# Allegro board 038RT-9068CJK8E-A100_0921_1.brd (continued)
## Routing (per net, layer and track width the routed paths; a pad name or vN(x,y) marks a point on that pad's centre or on a via; arc(x,y) is an arc through that point) (continued)
  BOTTOM w0.105: C376.1 244.57,209.95 243.09,209.95 T15.2
S0_U2_P6_MDI-: length 2.7
  BOTTOM w0.105: T15.1 243.1,210.42 244.57,210.42 C377.1
S0_U3_FE_MDI+: length 34.6
  BOTTOM w0.105: 15.88,26.06 26.65,26.06 29.47,28.88 31.96,28.88 35.67,32.58 35.67,37.58 36.77,38.68 39.25,38.68 U6.55
  BOTTOM w0.115: 15.88,26.06 14.11,24.29 CON1.3
S0_U3_FE_MDI-: length 34.6
  BOTTOM w0.105: 15.37,26.52 15.68,26.52 15.69,26.53 15.88,26.53 16.08,26.53 16.08,26.52 26.46,26.52 29.28,29.34 31.77,29.34 35.21,32.78 35.21,37.77 36.57,39.14 39.25,39.14 U6.54
  BOTTOM w0.115: 15.37,26.52 15.14,26.76 15.14,27.35 15.35,27.56 CON1.6
S0_U3_FE_MDIX+: length 37.4
  BOTTOM w0.105: U6.61 39.29,35.68 40.63,35.68 41.3,35.01 41.3,32.13 33.16,23.98 15.96,23.98 15.21,23.23 15.21,22.31 CON1.1
S0_U3_FE_MDIX-: length 37.4
  BOTTOM w0.105: 15.68,22.59 15.68,23.04 16.16,23.52 33.35,23.52 41.77,31.93 41.77,35.2 40.83,36.14 39.29,36.14 U6.60
  BOTTOM w0.115: 15.68,22.59 15.84,22.42 16.6,22.42 CON1.2
S0_U3_P0_MDI+: length 292.1
  L09_SIGNAL w0.1: v2(26.17,93.13) 26.37,92.93 35.4,92.93 38.35,95.88 99.46,95.88 102.68,99.1 102.68,117.72 108.47,123.51 170.16,123.51 222.93,176.28 233.74,176.28 241.07,183.6 241.07,198.64 239.99,199.71 239.99,205.84 240.46,206.3 240.96,206.3 241.06,206.4 v1(241.06,206.82)
  BOTTOM w0.105: v2(26.17,93.13) 26.32,92.98 28.78,92.98 U17.21 ; C195.2 241.8,206.35 241.53,206.35 v1(241.06,206.82)
S0_U3_P0_MDI-: length 292.1
  L09_SIGNAL w0.1: v1(241.06,205.42) 241.06,205.84 240.96,205.94 240.61,205.94 240.36,205.69 240.36,199.86 241.43,198.79 241.43,183.45 233.89,175.92 223.08,175.92 170.31,123.15 108.62,123.15 103.04,117.57 103.04,98.95 99.61,95.52 38.5,95.52 35.55,92.57 26.37,92.57 v2(26.17,92.37)
  BOTTOM w0.105: U17.22 28.78,92.52 26.32,92.52 v2(26.17,92.37) ; C196.2 241.8,205.89 241.53,205.89 v1(241.06,205.42)
S0_U3_P0_RC: length 3.7
  BOTTOM w0.115: R150.2 R2.1 C194.1 R149.2
S0_U3_P1_MDI+: length 282.5
  L09_SIGNAL w0.1: v1(247.95,201.86) 247.95,202.28 248.05,202.38 248.94,202.38 249.16,202.17 249.16,197.64 249.12,197.59 249.12,183.4 239.42,173.7 223.38,173.7 171.05,121.37 147.04,121.37 115.6,89.93 34.23,89.93 34.11,90.05 34.11,90.25 34,90.37 33.83,90.37 33.71,90.25 33.71,90.05 33.6,89.93 33.43,89.93 33.31,90.05 33.31,90.25 33.2,90.37 33.03,90.37 32.91,90.25 32.91,90.05 32.8,89.93 31.62,89.93 v2(31.42,90.13)
  BOTTOM w0.105: v2(31.42,90.13) 31.27,89.98 28.81,89.98 U17.27 ; C198.2 247.21,202.33 247.48,202.33 v1(247.95,201.86)
S0_U3_P1_MDI-: length 282.5
  L09_SIGNAL w0.1: v1(247.95,203.27) 247.95,202.85 248.05,202.75 249.09,202.75 249.52,202.32 249.52,197.49 249.48,197.44 249.48,183.25 239.57,173.34 223.53,173.34 171.2,121 147.19,121 115.75,89.57 31.62,89.57 v2(31.42,89.37)
  BOTTOM w0.105: U17.28 28.81,89.52 31.27,89.52 v2(31.42,89.37) ; v1(247.95,203.27) 247.48,202.8 247.21,202.8 C199.2
S0_U3_P1_RC: length 3.7
  BOTTOM w0.115: R156.2 R3.1 C197.1 R155.2
S0_U3_P2_GIGA_MDI+: length 25.7
  BOTTOM w0.105: K145.24 31.08,232.85 32.19,232.85 32.29,232.96 32.29,237.65 32.73,238.08 34.1,238.08 34.48,237.71 34.48,231.63 34.67,231.44 35.26,231.44 35.37,231.54 35.37,234.99 35.84,235.46 38.28,235.46 38.52,235.7 41.66,235.7 K144.29
S0_U3_P2_GIGA_MDI-: length 25.7
  BOTTOM w0.105: K145.25 31.08,232.39 32.38,232.39 32.76,232.76 32.76,237.45 32.92,237.62 33.91,237.62 34.01,237.51 34.01,231.44 34.48,230.97 35.46,230.97 35.83,231.35 35.83,234.8 36.03,235 38.47,235 38.71,235.24 41.66,235.24 K144.28
S0_U3_P3_GIGA_MDI+: length 27.6
  L46_SIGNAL w0.136: v3(33.01,230.95) 33.11,230.85 33.68,230.85 34.21,231.38 34.21,232.15 31.84,234.52 31.84,241.23 33.82,243.2 40.02,243.2 40.64,242.58 40.64,241.49 v3(40.74,241.39)
  BOTTOM w0.105: K145.28 31.08,230.85 32.91,230.85 v3(33.01,230.95) ; K144.38 41.66,240.2 40.75,240.2 40.65,240.31 40.65,241.29 v3(40.74,241.39)
S0_U3_P3_GIGA_MDI-: length 27.6
  L46_SIGNAL w0.136: v3(33.01,230.29) 33.11,230.39 33.87,230.39 34.67,231.19 34.67,232.34 32.3,234.71 32.3,241.04 34.01,242.75 39.83,242.75 40.19,242.39 40.19,241.49 v3(40.08,241.39)
  BOTTOM w0.105: K144.37 41.66,239.74 40.56,239.74 40.18,240.11 40.18,241.29 v3(40.08,241.39) ; K145.29 31.08,230.39 32.91,230.39 v3(33.01,230.29)
S0_U3_P5_MDI+: length 291
  L09_SIGNAL w0.1: v2(31.42,94.63) 31.62,94.43 33.42,94.43 39.71,100.72 94.37,100.72 97.08,103.43 97.08,121.43 101.45,125.8 169.72,125.8 222.72,178.8 233.37,178.8 238.67,184.1 238.67,207.18 239.97,208.48 239.97,213.61 240.28,213.92 240.96,213.92 241.06,214.02 v1(241.06,214.44)
  BOTTOM w0.105: U17.18 28.81,94.48 31.27,94.48 v2(31.42,94.63) ; v1(241.06,214.44) 241.53,213.97 241.8,213.97 C383.2
S0_U3_P5_MDI-: length 291
  L09_SIGNAL w0.1: v1(241.06,213.04) 241.06,213.46 240.96,213.56 240.43,213.56 240.33,213.46 240.33,208.33 239.04,207.03 239.04,183.95 233.52,178.44 222.87,178.44 169.87,125.44 101.6,125.44 97.45,121.28 97.45,103.28 94.52,100.36 39.86,100.36 33.57,94.07 31.62,94.07 v2(31.42,93.87)
  BOTTOM w0.105: U17.19 28.81,94.02 31.27,94.02 v2(31.42,93.87) ; v1(241.06,213.04) 241.53,213.51 241.8,213.51 C381.2
S0_U3_P5_RC: length 3.7
  BOTTOM w0.115: R439.2 R5.1 C379.1 R440.2
S0_U3_P6_MDI+: length 300.4
  L09_SIGNAL w0.1: v1(247.95,209.48) 247.95,209.9 247.85,210 247.41,210 242.04,215.38 240.12,215.38 238.89,214.14 238.89,209.69 237.03,207.83 223.44,207.83 220.3,204.69 220.3,180.22 167.74,127.65 99.54,127.65 77.09,105.2 27.86,105.2 25.4,102.74 25.4,100.96 25.52,100.84 25.72,100.84 25.84,100.72 25.84,100.56 25.72,100.44 25.52,100.44 25.4,100.32 25.4,100.16 25.52,100.04 25.72,100.04 25.84,99.92 25.84,99.76 25.72,99.64 25.52,99.64 25.4,99.52 25.4,97.57 25.54,97.43 25.97,97.43 v2(26.17,97.63)
  BOTTOM w0.105: v1(247.95,209.48) 247.48,209.95 247.21,209.95 C376.2 ; v2(26.17,97.63) 26.32,97.48 28.78,97.48 U17.12
S0_U3_P6_MDI-: length 300.4
  L09_SIGNAL w0.1: v2(26.17,96.87) 25.97,97.07 25.39,97.07 25.04,97.42 25.04,102.89 27.71,105.56 76.94,105.56 99.39,128.02 167.59,128.02 219.94,180.37 219.94,204.84 223.29,208.19 236.88,208.19 238.53,209.84 238.53,214.29 239.97,215.74 242.19,215.74 247.56,210.37 247.85,210.37 247.95,210.47 v1(247.95,210.89)
  BOTTOM w0.105: v2(26.17,96.87) 26.32,97.02 28.78,97.02 U17.13 ; v1(247.95,210.89) 247.48,210.42 247.21,210.42 C377.2
S0_U3_P6_RC: length 3.7
  BOTTOM w0.115: R441.2 C375.1 R10.1 R438.2
S0_U4_GIGA_MDI+: length 14.7
  TOP w0.105: GPHY3.1 18.95,238.36 21.2,238.36 22.75,236.8 22.75,232.25 23.65,231.35 25.35,231.35 v1(25.44,231.45)
  BOTTOM w0.105: v1(25.44,231.45) 25.54,231.35 27.06,231.35 K145.12
S0_U4_GIGA_MDI-: length 14.7
  TOP w0.105: v1(25.44,230.79) 25.35,230.89 23.46,230.89 22.29,232.05 22.29,236.61 21,237.89 18.95,237.89 GPHY3.2
  BOTTOM w0.105: v1(25.44,230.79) 25.54,230.89 27.06,230.89 K145.11
S0_U4_P0_MDI+: length 214.4
  L15_SIGNAL w0.1: K240.3 140.62,51.62 140.72,51.72 140.72,87.43 183.13,129.84 183.13,134.12 204.83,155.82 213.18,155.82 240.45,183.09 240.45,197.84 247.39,204.78 256.71,204.78 256.81,204.88
  L15_SIGNAL w0.105: K60.2 256.81,204.88
S0_U4_P0_MDI-: length 213.8
  L15_SIGNAL w0.1: K240.6 141.19,51.62 141.09,51.72 141.09,87.28 183.49,129.69 183.49,133.97 204.98,155.45 213.33,155.45 240.82,182.94 240.82,197.69 247.54,204.42 256.71,204.42 256.81,204.32
  L15_SIGNAL w0.105: K60.7 256.81,204.32
S0_U4_P1_MDI+: length 206.8
  L15_SIGNAL w0.1: K64.2 232.2,204.32 232.1,204.42 223.53,204.42 222.94,203.82 222.94,199.35 220.35,196.76 220.35,172.37 210.92,162.94 199.62,162.94 127.11,90.43 127.11,56.24 K241.3
S0_U4_P1_MDI-: length 207.4
  L15_SIGNAL w0.1: K241.6 126.75,56.23 126.75,90.58 199.47,163.3 210.77,163.3 219.99,172.52 219.99,196.91 222.58,199.5 222.58,203.97 223.38,204.78 232.1,204.78 232.2,204.88 K64.7
S0_U4_P2_R_1: length 18.2
  TOP w0.508: R542.2 GPHY2.G2 16.51,221.2 16.51,216.95 GPHY2.G1 GPHY2.G3
S0_U4_P2_R_2: length 21.8
  TOP w0.508: GPHY2.G6 GPHY2.G4 ; GPHY2.G4 11.29,218.44 8.02,215.18 GPHY2.G5 ; GPHY2.G4 R543.2
S0_U4_P2_RC_1: length 1.3
  TOP w0.508: R542.1 C441.1
S0_U4_P2_RC_2: length 1.3
  TOP w0.508: R543.1 C442.1
S0_U4_P3_R_1: length 18.2
  TOP w0.508: GPHY3.G3 GPHY3.G1 16.47,236.04 16.47,240.21 GPHY3.G2 R540.1
S0_U4_P3_R_2: length 21.8
  TOP w0.508: R541.2 GPHY3.G4 ; GPHY3.G4 11.29,237.49 8.02,234.23 GPHY3.G5 ; GPHY3.G4 GPHY3.G6
S0_U4_P3_RC_1: length 1.3
  TOP w0.508: R540.2 C439.1
S0_U4_P3_RC_2: length 1.3
  TOP w0.508: R541.1 C440.1
S0_U4_P5_MDI+: length 225.9
  L15_SIGNAL w0.1: K130.2 256.81,211.99 256.71,211.89 247.04,211.89 243.42,208.26 243.42,202.94 238.39,197.91 238.39,184.78 212.78,159.17 200.4,159.17 176.74,135.52 176.74,130.85 134.39,88.49 134.39,53.05 K242.3
S0_U4_P5_MDI-: length 225.3
  L15_SIGNAL w0.1: K130.7 256.81,211.43 256.71,211.53 247.19,211.53 243.78,208.11 243.78,202.79 238.75,197.76 238.75,184.62 212.93,158.81 200.55,158.81 177.1,135.37 177.1,130.7 134.75,88.34 134.75,53.03 K242.6
S0_U4_P6_MDI+: length 217.1
  L15_SIGNAL w0.1: K140.2 232.2,211.43 232.1,211.53 224.01,211.53 220.36,207.88 220.36,199.48 217.64,196.76 217.64,174.39 210.51,167.26 197.73,167.26 120.77,90.3 120.77,56.23 K243.3
S0_U4_P6_MDI-: length 217.7
  L15_SIGNAL w0.1: K243.6 120.41,56.24 120.41,90.45 197.58,167.62 210.36,167.62 217.28,174.54 217.28,196.91 220,199.63 220,208.03 223.86,211.89 232.1,211.89 232.2,211.99 K140.7
S0_U4PI_P0_MDI+: length 143.5
  L13_SIGNAL w0.1: v2(17.32,92.95) 17.12,92.75 16.36,92.75 16.19,92.92 16.19,93.08 16.01,93.25 15.76,93.25 15.59,93.08 15.59,92.92 15.41,92.75 15.16,92.75 14.99,92.92 14.99,93.08 14.81,93.25 14.56,93.25 14.39,93.08 14.39,92.92 14.21,92.75 13.32,92.75 12.93,92.35 12.93,90.83 13.24,90.51 15.72,90.51 16.06,90.17 16.06,84.36 19,81.42 37.28,81.42 38.05,80.66 38.05,76.54 37.52,76.02 16.01,76.02 15.6,76.43 15.6,77.45 15.96,77.82 36.13,77.82 36.59,78.28 36.59,79.22 36.01,79.8 17.37,79.8 11.41,85.76 11.41,92.4 10.71,93.1 3.11,93.1 2.44,93.78 2.44,95.74 2.65,95.96 4.16,95.96 4.26,95.86 MQS1.1
  BOTTOM w0.105: U17.45 21.07,93.48 19.99,93.48 19.3,92.8 17.47,92.8 v2(17.32,92.95)
S0_U4PI_P0_MDI-: length 143.5
  L13_SIGNAL w0.1: v2(17.32,92.18) 17.12,92.38 13.47,92.38 13.29,92.2 13.29,90.98 13.39,90.88 15.87,90.88 16.43,90.32 16.43,84.51 19.15,81.78 37.43,81.78 38.41,80.81 38.41,76.39 37.68,75.65 15.86,75.65 15.23,76.28 15.23,77.6 15.81,78.18 35.98,78.18 36.22,78.43 36.22,79.07 35.86,79.44 17.22,79.44 11.04,85.61 11.04,92.25 10.56,92.74 2.96,92.74 2.07,93.63 2.07,95.89 2.5,96.32 4.16,96.32 4.26,96.42 MQS1.2
  BOTTOM w0.105: v2(17.32,92.18) 17.47,92.33 19.49,92.33 20.18,93.02 21.07,93.02 U17.44
S0_U4PI_P1_MDI+: length 115.2
  L13_SIGNAL w0.1: v2(18.46,90.63) 18.66,90.43 20.71,90.43 21.07,90.8 21.07,99.9 22.1,100.93 27.94,100.93 28.97,99.91 28.97,86.84 29.39,86.42 32.78,86.42 33.31,86.95 33.31,101.25 33.62,101.56 35.79,101.56 36.34,101.01 36.34,94.56 36.76,94.14 37.98,94.14 38.3,94.46 38.3,101.11 36.49,102.92 32.12,102.92 31.01,104.03 26.5,104.03 26.01,103.54 20.79,103.54 20.3,104.03 14.85,104.03 13.69,102.86 13.69,98.91 13.19,98.41 12.79,98.02 12.79,97.77 12.9,97.66 12.9,97.41 12.72,97.23 12.48,97.23 12.37,97.34 12.12,97.34 11.94,97.17 11.94,96.92 12.05,96.81 12.05,96.56 11.88,96.39 11.63,96.39 11.52,96.5 11.27,96.5 10.73,95.96 6.9,95.96 6.8,95.86 MQS1.10
  BOTTOM w0.105: v2(18.46,90.63) 18.61,90.48 21.07,90.48 U17.39
S0_U4PI_P1_MDI-: length 115.2
  L13_SIGNAL w0.1: MQS1.11 6.8,96.42 6.9,96.32 10.58,96.32 13.32,99.06 13.32,103.01 14.7,104.39 20.45,104.39 20.94,103.9 25.86,103.9 26.35,104.39 31.16,104.39 32.27,103.28 36.64,103.28 38.66,101.26 38.66,94.31 38.13,93.77 36.61,93.77 35.98,94.41 35.98,100.86 35.64,101.2 33.77,101.2 33.67,101.1 33.67,86.8 32.93,86.06 29.24,86.06 28.6,86.69 28.6,99.76 27.79,100.57 22.25,100.57 21.44,99.75 21.44,90.65 20.86,90.07 18.66,90.07 v2(18.46,89.87)
  BOTTOM w0.105: U17.38 21.07,90.02 18.61,90.02 v2(18.46,89.87)
S0_U4PI_P5_MDI+: length 133
  L11_SIGNAL w0.1: MQS1.3 4.26,100.94 4.16,101.04 2.47,101.04 2.36,100.92 2.36,93.48 2.78,93.05 9.6,93.05 10.31,92.35 10.31,86.22 13.49,83.03 13.49,80.67 14.05,80.11 28.58,80.11 29.35,79.34 29.35,78.16 28.83,77.64 13.9,77.64 13.49,77.23 13.49,75.98 13.9,75.57 33.94,75.57 34.27,75.9 34.27,81.17 33.7,81.74 19.81,81.74 15.43,86.12 15.43,91.64 13.37,93.7 13.37,94.69 14.11,95.43 14.94,95.43 15.12,95.61 15.12,95.76 15.29,95.94 15.54,95.94 15.72,95.76 15.72,95.61 15.89,95.43 16.14,95.43 16.32,95.61 16.32,95.76 16.5,95.94 16.74,95.94 16.92,95.76 16.92,95.61 17.1,95.43 18.26,95.43 v2(18.46,95.63)
  BOTTOM w0.105: v2(18.46,95.63) 18.61,95.48 21.07,95.48 U17.49
S0_U4PI_P5_MDI-: length 133
  L11_SIGNAL w0.1: v2(18.46,94.87) 18.26,95.07 14.26,95.07 13.73,94.54 13.73,93.85 15.79,91.79 15.79,86.27 19.96,82.11 33.85,82.11 34.63,81.32 34.63,75.75 34.09,75.21 13.75,75.21 13.13,75.83 13.13,77.38 13.75,78.01 28.68,78.01 28.99,78.31 28.99,79.19 28.43,79.75 13.9,79.75 13.13,80.52 13.13,82.88 9.94,86.07 9.94,92.2 9.45,92.69 2.63,92.69 1.99,93.32 1.99,101.07 2.32,101.4 4.16,101.4 4.26,101.5 MQS1.4
  BOTTOM w0.105: U17.48 21.07,95.02 18.61,95.02 v2(18.46,94.87)
S0_U4PI_P6_MDI+: length 93.1
  L11_SIGNAL w0.1: MQS1.12 6.8,100.94 6.9,101.04 9.36,101.04 9.53,100.86 9.53,100.71 9.71,100.53 9.96,100.53 10.13,100.71 10.13,100.86 10.31,101.04 10.56,101.04 10.74,100.86 10.74,100.71 10.91,100.53 11.16,100.53 11.34,100.71 11.34,100.86 11.51,101.04 14.32,101.04 14.52,100.84 14.52,99.74 14.86,99.41 15.87,99.41 16.31,99.84 16.31,103.12 17.22,104.03 20.86,104.03 21.29,103.6 21.29,100.8 21.72,100.37 24.23,100.37 25.04,101.18 25.04,103.54 25.53,104.03 32.56,104.03 33.81,102.78 33.81,85.56 33.49,85.24 23.33,85.24 22.48,84.39 20.07,84.39 19.34,85.12 19.34,85.97 21.46,88.1 21.46,97.95 20.98,98.43 18.66,98.43 v2(18.46,98.63)
  BOTTOM w0.105: v2(18.46,98.63) 18.61,98.48 21.07,98.48 U17.55
S0_U4PI_P6_MDI-: length 93.1
  L11_SIGNAL w0.1: v2(18.46,97.87) 18.66,98.07 20.83,98.07 21.1,97.8 21.1,88.25 18.98,86.12 18.98,84.97 19.92,84.03 22.63,84.03 23.48,84.87 33.64,84.87 34.17,85.41 34.17,102.93 32.71,104.39 25.38,104.39 24.68,103.69 24.68,101.34 24.07,100.74 21.87,100.74 21.65,100.95 21.65,103.75 21.01,104.39 17.07,104.39 15.95,103.27 15.95,99.99 15.72,99.77 15.01,99.77 14.88,99.89 14.88,100.99 14.47,101.4 6.9,101.4 6.8,101.5 MQS1.13
  BOTTOM w0.105: v2(18.46,97.87) 18.61,98.02 21.07,98.02 U17.54
S0_U4PILB_P0_MDI+: length 222
  L15_SIGNAL w0.1: v2(23.71,119.68) 23.91,119.48 24.85,119.48 25.23,119.1 25.23,118.06 24.77,117.6 22.02,117.6 21.11,116.69 21.11,109.82 22.49,108.43 32.63,108.43 33.33,109.12 33.33,131.93 34.64,133.24 40.94,133.24 41.9,132.27 41.9,88.5 41.22,87.81 39.52,87.81 38.96,88.37 38.96,119.09 38.6,119.45 37.34,119.45 37.03,119.14 37.03,88.33 36.52,87.81 34.19,87.81 33.45,88.56 33.45,103.06 31.18,105.33 23.81,105.33 21.11,102.63 21.11,99.33 20.6,98.83 20.6,93.63 21.8,92.43 23.51,92.43 v2(23.71,92.63)
  BOTTOM w0.105: v2(23.71,119.68) 23.56,119.53 21.1,119.53 U18.59 ; v2(23.71,92.63) 23.56,92.48 21.1,92.48 U17.43
S0_U4PILB_P0_MDI-: length 222
  L15_SIGNAL w0.1: v2(23.71,118.92) 23.91,119.12 24.7,119.12 24.87,118.95 24.87,118.21 24.62,117.96 21.87,117.96 20.74,116.84 20.74,109.66 22.34,108.07 32.79,108.07 33.69,108.97 33.69,131.78 34.79,132.87 40.79,132.87 41.54,132.12 41.54,88.65 41.07,88.18 39.67,88.18 39.32,88.52 39.32,119.24 38.75,119.81 37.18,119.81 36.67,119.29 36.67,88.48 36.36,88.18 34.34,88.18 33.81,88.71 33.81,103.21 31.33,105.7 23.66,105.7 20.74,102.78 20.74,99.48 20.24,98.98 20.24,93.48 21.65,92.07 23.51,92.07 v2(23.71,91.87)
  BOTTOM w0.105: v2(23.71,118.92) 23.56,119.07 21.1,119.07 U18.58 ; v2(23.71,91.87) 23.56,92.02 21.1,92.02 U17.42
S0_U4PILB_P1_MDI+: length 193.4
  L17_SIGNAL w0.1: v2(23.71,89.63) 23.91,89.43 24.16,89.43 24.26,89.53 24.26,90.13 23.78,90.62 21.84,90.62 21.11,91.35 21.11,103.82 20.26,104.68 16.5,104.68 15.74,103.92 15.74,85.47 16.89,84.32 24.1,84.32 24.46,83.96 24.46,81.62 24.03,81.19 14.32,81.19 12.53,82.99 12.53,128.01 13.06,128.55 25.71,128.55 26.26,127.99 26.26,125.81 25.77,125.33 15.12,125.33 14.68,124.88 14.68,107.19 14.9,106.97 15.75,106.97 15.88,107.1 15.88,122.21 16.71,123.04 20.54,123.04 21.41,122.18 21.41,116.79 21.72,116.48 23.51,116.48 v2(23.71,116.68)
  BOTTOM w0.105: v2(23.71,89.63) 23.56,89.48 21.1,89.48 U17.37 ; v2(23.71,116.68) 23.56,116.53 21.1,116.53 U18.53
S0_U4PILB_P1_MDI-: length 193.4
  L17_SIGNAL w0.1: v2(23.71,115.92) 23.51,116.12 21.57,116.12 21.05,116.64 21.05,122.02 20.39,122.68 16.86,122.68 16.24,122.06 16.24,106.95 15.9,106.61 14.75,106.61 14.31,107.04 14.31,125.04 14.97,125.69 25.62,125.69 25.89,125.96 25.89,127.84 25.55,128.18 13.21,128.18 12.89,127.86 12.89,83.14 14.47,81.56 23.88,81.56 24.1,81.78 24.1,83.81 23.95,83.96 16.74,83.96 15.38,85.32 15.38,104.07 16.35,105.04 20.41,105.04 21.48,103.97 21.48,91.5 22,90.98 23.93,90.98 24.62,90.28 24.62,89.38 24.31,89.07 23.91,89.07 v2(23.71,88.87)
  BOTTOM w0.105: v2(23.71,88.87) 23.56,89.02 21.1,89.02 U17.36 ; U18.52 21.1,116.07 23.56,116.07 v2(23.71,115.92)
S0_U4PILB_P5_MDI+: length 218.5
  L15_SIGNAL w0.1: v2(24.85,114.37) 25.05,114.17 26.04,114.17 26.73,113.48 28.32,113.48 28.77,113.93 28.77,126.23 28.55,126.46 26.46,126.46 26.12,126.13 26.12,122.7 25.63,122.2 18.53,122.2 17.81,122.92 17.81,127.56 18.85,128.6 30.67,128.6 31.08,129.01 31.08,131.59 30.61,132.06 18.56,132.06 17.81,132.81 17.81,135.88 19.35,137.42 46.27,137.42 47.03,136.66 47.03,83.8 45.69,82.46 28.69,82.46 27.97,83.17 27.97,86.59 28.54,87.16 28.54,103.53 28.3,103.77 26.61,103.77 26.26,103.41 26.26,99.53 25.71,98.98 23.46,98.98 23.04,98.56 22.26,98.56 21.97,98.28 21.97,95.81 22.66,95.12 24.65,95.12 v2(24.85,95.32)
  BOTTOM w0.105: U18.47 21.1,113.53 21.99,113.53 22.68,114.22 24.7,114.22 v2(24.85,114.37) ; v2(24.85,95.32) 24.7,95.17 22.68,95.17 21.99,94.48 21.1,94.48 U17.47
S0_U4PILB_P5_MDI-: length 218.5
  L15_SIGNAL w0.1: v2(24.85,94.55) 24.65,94.75 22.51,94.75 21.61,95.66 21.61,98.43 22.11,98.93 22.89,98.93 23.31,99.35 25.56,99.35 25.9,99.68 25.9,103.56 26.46,104.13 28.45,104.13 28.91,103.68 28.91,87.01 28.34,86.44 28.34,83.32 28.84,82.82 45.54,82.82 46.67,83.95 46.67,136.5 46.12,137.06 19.5,137.06 18.18,135.73 18.18,132.96 18.72,132.42 30.76,132.42 31.44,131.74 31.44,128.86 30.82,128.24 19,128.24 18.18,127.41 18.18,123.07 18.68,122.57 25.48,122.57 25.76,122.85 25.76,126.28 26.31,126.82 28.7,126.82 29.14,126.38 29.14,113.78 28.47,113.11 26.58,113.11 25.89,113.8 25.05,113.8 v2(24.85,113.6)
  BOTTOM w0.105: U18.46 21.1,113.07 22.18,113.07 22.87,113.75 24.7,113.75 v2(24.85,113.6) ; U17.46 21.1,94.02 22.18,94.02 22.87,94.7 24.7,94.7 v2(24.85,94.55)
S0_U4PILB_P6_MDI+: length 147.5
  L17_SIGNAL w0.1: v2(23.71,97.63) 23.91,97.43 24.69,97.43 24.79,97.53 24.79,104.68 25.26,105.15 32.96,105.15 33.98,104.12 33.98,87.64 34.7,86.92 38.72,86.92 39.19,87.4 39.19,127.39 38.65,127.93 36.98,127.93 36.57,127.52 36.57,118.66 35.99,118.08 34.44,118.08 33.79,118.73 33.79,127.37 33.43,127.73 29.6,127.73 29.08,127.22 29.08,108.79 28.39,108.09 25.72,108.09 25.03,108.79 20.99,108.79 20.64,109.14 20.64,111.12 21,111.48 23.51,111.48 v2(23.71,111.68)
  BOTTOM w0.105: v2(23.71,111.68) 23.56,111.53 21.1,111.53 U18.43 ; U17.53 21.1,97.48 23.56,97.48 v2(23.71,97.63)
S0_U4PILB_P6_MDI-: length 147.5
  L17_SIGNAL w0.1: v2(23.71,96.87) 23.91,97.07 24.84,97.07 25.16,97.38 25.16,104.53 25.41,104.79 32.81,104.79 33.62,103.97 33.62,87.49 34.55,86.56 38.87,86.56 39.56,87.25 39.56,127.54 38.8,128.29 36.83,128.29 36.21,127.67 36.21,118.81 35.84,118.45 34.59,118.45 34.15,118.88 34.15,127.52 33.58,128.09 29.45,128.09 28.72,127.37 28.72,108.94 28.24,108.46 25.87,108.46 25.18,109.15 21.15,109.15 21,109.29 21,110.97 21.15,111.12 23.51,111.12 v2(23.71,110.92)
  BOTTOM w0.105: v2(23.71,110.92) 23.56,111.07 21.1,111.07 U18.42 ; v2(23.71,96.87) 23.56,97.02 21.1,97.02 U17.52
S0_U6_VDD: length 19.6
  BOTTOM w0.305: v2(40.68,37.66) 40.17,38.16 U6.56 ; U6.8 v2(30.14,37.66) ; U6.20 v2(30.14,43.66) ; U6.24 30.26,45.66 v2(30.14,45.54) ; v2(30.14,40.71) 30.58,41.16 U6.15 ; U6.31 30.2,49.16 v2(30.14,49.22) ; U6.40 40.37,46.16 v2(40.68,45.86) ; U6.26 30.29,46.66 v2(30.14,46.81) ; v2(37.79,49.91) 38.04,49.66 U6.33 ; U6.64 v2(37.79,34.16) ; U6.16 30.46,41.66 v2(30.14,41.98) ; U6.2 v2(33.04,34.66) ; U6.11 v2(30.14,39.16)
  vias: v2(23.35,71.44) v2(23.35,70.17) v2(23.35,68.9) v2(23.35,67.63)
S0_U17_VDD: length 35.4
  BOTTOM w0.305: U17.31 27.32,88 v2(27.32,88) ; v2(30.27,110.55) 30.27,110.55 U18.24 ; U18.16 27.6,114.55 v2(27.48,114.43) ; U17.40 19.61,91 v2(19.61,91) ; v2(27.32,99.5) 27.32,99.5 U17.8 ; v2(27.32,109.55) 27.32,109.55 U18.26 ; U18.2 27.47,121.55 v2(27.35,121.67) ; v2(30.27,96.14) 30.13,96 U17.15 ; v2(30.27,98) 30.27,98 U17.11 ; U17.16 27.6,95.5 v2(27.48,95.38) ; v2(30.27,117.05) 30.27,117.05 U18.11 ; v2(19.61,110.05) 19.61,110.05 U18.40 ; v2(27.32,107.05) 27.32,107.05 U18.31 ; v2(30.27,112.55) 30.27,112.55 U18.20 ; v2(27.35,102.62) 27.47,102.5 U17.2 ; v2(30.27,93.5) 30.27,93.5 U17.20 ; U17.24 30.27,91.5 v2(30.27,91.5) ; v2(22.56,106.55) 22.56,106.55 U18.33 ; U18.56 19.61,118.05 v2(19.61,118.05) ; v2(27.32,118.55) 27.32,118.55 U18.8 ; U17.56 19.61,99 v2(19.61,99) ; U17.26 27.32,90.5 v2(27.32,90.5) ; U17.64 19.61,103 v2(19.61,103) ; U18.15 30.13,115.05 v2(30.27,115.19)
  vias: v2(20.49,124.14) v2(20.49,85.41) v2(21.76,124.14) v2(21.76,85.41) v2(23.03,124.14) v2(24.3,124.14)
S0_VBAT:
  vias: v1(282.9,208.62) v2(36.37,19.19) v2(36.37,16.65) v2(36.37,14.11) v2(36.37,11.57) v2(36.37,9.03) v2(36.37,6.49) v2(36.37,3.95) v2(38.91,19.19) v2(38.91,16.65) v2(38.91,14.11) v2(38.91,11.57) v2(38.91,9.03) v2(38.91,6.49) v2(38.91,3.95) v2(41.45,19.19) v2(41.45,16.65) v2(41.45,14.11) v2(41.45,11.57) v2(41.45,9.03) v2(41.45,6.49) v2(41.45,3.95) v2(155.64,35.47) v2(155.64,34.2) v2(155.64,32.93) v2(155.64,29.76) v2(155.64,25.95) v2(155.64,24.68) v2(155.64,23.41)
S0_VO09: length 454
  L19_SIGNAL w0.102: 276.86,208.22 280.1,208.22 v1(280.5,208.62)
  L19_SIGNAL w0.105: SLOT0-DOWN.C11 277.91,111.74 276.05,111.74 275,112.78 273.48,112.78 272.28,111.58 271.44,111.58 265.43,117.59 255.24,117.59 254.74,118.08 254.74,118.98 253.99,119.73 250.97,119.73 250.1,118.86 248.55,118.86 248.05,118.36 248.05,82.42 227.46,61.83 187.7,61.83 184.1,58.23 v2(180.75,58.23) 186.94,64.42 228.63,64.42 246.13,81.92 246.13,118.81 247.15,119.83 247.7,119.83 248.73,120.85 250,120.85 250.92,121.78 252.19,121.78 252.89,122.48 252.89,148.84 239.53,162.21 227.23,162.21 220.38,169.05 220.38,195.25 226.32,201.18 226.32,217.94 228.91,220.54 231.13,220.54 v1(232.21,221.62) 233.31,220.51 265.53,220.51 269.71,216.34 269.71,209.79 271.28,208.22 276.86,208.22
  vias: v1(232.21,222.88) v1(233.48,222.88) v1(233.48,221.62) v1(234.75,222.88) v1(234.75,221.62) v1(236.02,222.88) v1(236.02,221.62) v2(178.21,59.5) v2(178.21,58.23) v2(178.21,56.96) v2(179.48,59.5) v2(179.48,58.23) v2(179.48,56.96) v2(180.75,59.5) v2(180.75,56.96)
S0_VSENSE:
  vias: v1(280.5,209.42)
S0_WAKE:
  vias: v1(280.5,206.22)
S0_WP: length 25.9
  L03_SIGNAL w0.102: v1(290.1,206.22) 290.5,205.82 292.92,205.82
  L03_SIGNAL w0.145: v1(315.24,206.53) 314.6,205.89 307.68,205.89 307.27,206.3 295.68,206.3 295.21,205.82 292.92,205.82
S1_1_CKXTAL1: length 3.8
  BOTTOM w0.115: UNK1Y7.3 439.71,211.63 UNK1C169.2 UNK1K34.5
S1_1_CKXTAL2: length 6.3
  BOTTOM w0.115: UNK1Y7.1 441.71,214.69 440.68,215.72 440.12,215.72 439.24,214.83 UNK1C168.2 UNK1K34.4
S1_1_INH: length 8.8
  BOTTOM w1.016: UNK1R362.1 530.42,41.65 528.73,39.96 528.73,37.24 UNK1K6.4
S1_1_NGATE: length 10.6
  BOTTOM w0.61: 366.87,222.63 364.9,220.66 361.47,220.66 360.52,221.62 UNK1CMOS1.2
S1_1_P6_HSI+: length 19.9
  L46_SIGNAL w0.185: 450.15,192.33 452.04,192.33 452.51,191.87 455.96,191.87 458.68,194.58 460.84,194.58
  L46_SIGNAL w0.2: v3(460.95,194.7) 460.84,194.58 ; 450.15,192.33 v3(450.04,192.45)
  BOTTOM w0.14: UNK1K213.31 447.51,192.56 449.14,192.56 449.39,192.31 449.9,192.31 v3(450.04,192.45) ; UNK1K214.12 465.63,194.56 461.09,194.56 v3(460.95,194.7)
S1_1_P6_HSI-: length 19.9
  L46_SIGNAL w0.185: 460.84,194.15 458.86,194.15 456.14,191.43 452.32,191.43 451.86,191.9 450.15,191.9
  L46_SIGNAL w0.2: v3(460.95,194.04) 460.84,194.15 ; 450.15,191.9 v3(450.04,191.79)
  BOTTOM w0.14: UNK1K214.11 465.63,194.17 461.09,194.17 v3(460.95,194.04) ; v3(450.04,191.79) 449.9,191.92 449.23,191.92 448.98,192.17 447.51,192.17 UNK1K213.32
S1_1_P6_HSO+: length 131.8
  BOTTOM w0.14: UNK1K213.34 447.51,191.17 448.59,191.17 449.74,190.02 452.7,190.02 461.03,181.69 474.76,181.69 478.47,185.4 478.47,205.53 482.57,209.64 544.4,209.64 545.16,208.87 551.53,208.87 UNK1K217.11
S1_1_P6_HSO-: length 131.8
  BOTTOM w0.14: UNK1K217.12 551.53,209.26 545.32,209.26 544.56,210.03 482.41,210.03 478.08,205.69 478.08,185.56 474.59,182.08 461.19,182.08 452.86,190.41 449.9,190.41 448.75,191.56 447.51,191.56 UNK1K213.33
S1_1_P7_HSI+: length 22.4
  BOTTOM w0.14: UNK1K213.22 447.51,197.06 448.29,197.06 448.43,197.2 448.43,199.31 449.44,200.31 454.29,200.31 458.04,196.56 465.63,196.56 UNK1K214.16
S1_1_P7_HSI-: length 22.4
  BOTTOM w0.14: UNK1K214.15 465.63,196.17 457.88,196.17 454.13,199.92 449.6,199.92 448.82,199.14 448.82,197.04 448.45,196.67 447.51,196.67 UNK1K213.23
S1_1_P7_HSO+: length 139.1
  BOTTOM w0.14: UNK1K217.15 551.53,210.87 546.45,210.87 545.28,212.04 481.4,212.04 476.5,207.14 476.5,186.36 473.44,183.3 461.93,183.3 455.42,189.81 455.42,195.46 452.9,197.99 450.91,197.99 448.59,195.67 447.51,195.67 UNK1K213.25
